# KiCad board TimeMachine.kicad_pcb (continued)
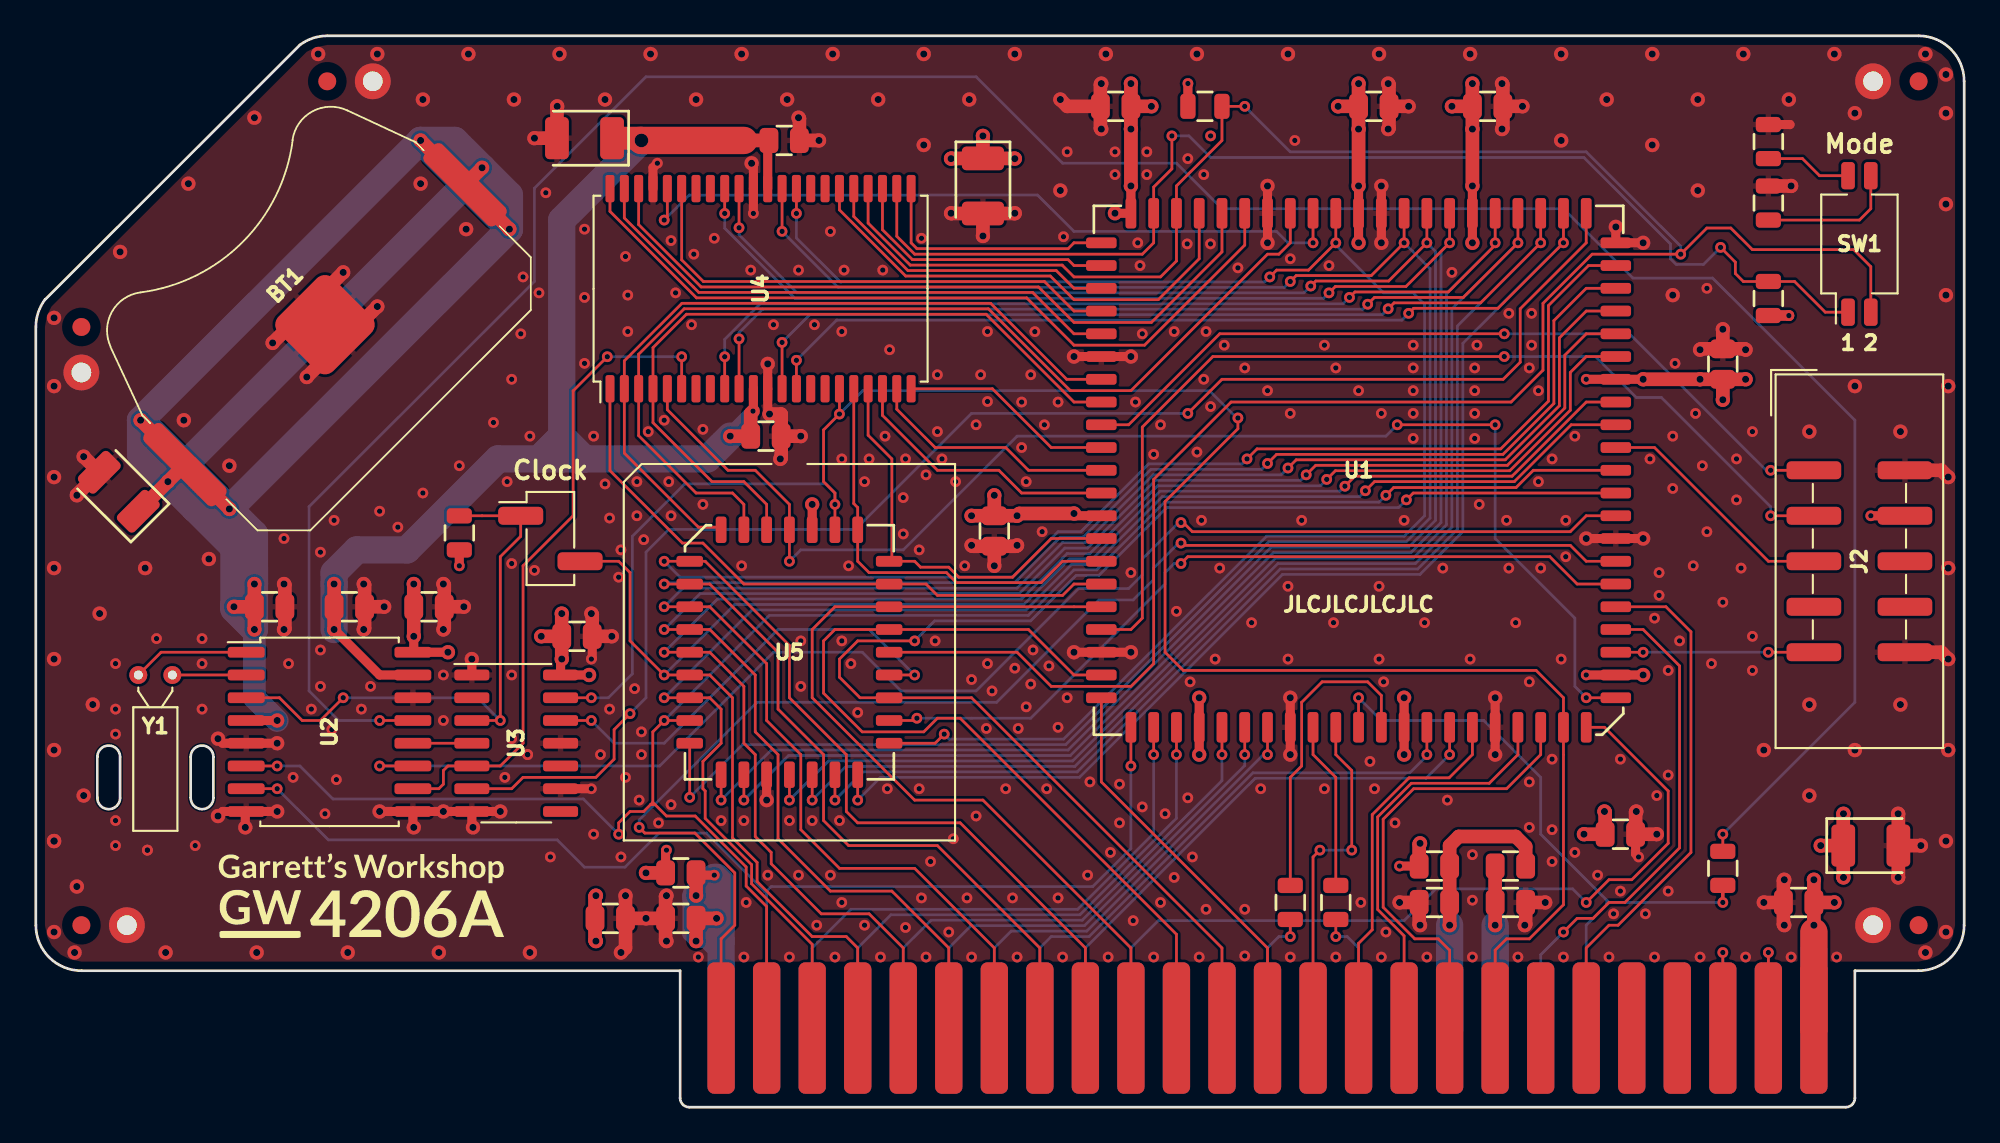
[diagram p0: board, top side]
## Routing (per net, layer and track width the routed paths; a pad name or vN(x,y) marks a point on that pad's centre or on a via; arc(x,y) is an arc through that point) (continued)
+5C: length 77.2
  Top w0.508: U2.15 19.18,24.13 v1(16.64,26.67) ; U4.33 40.83,53.91 C16.1 ; 40.03,37.61 C15.1 ; v2(40,38.86) 40.03,38.88 U4.11
  Top w0.762: v1(16.64,26.67) C14.1 v1(16.64,29.21) ; C16.1 39.5,53.97 ; v2(40,38.86) 39.88,38.73 C15.1 v1(38.73,37.46)
  Top w1.27: v3(33.78,53.97) 33.66,54.1 C17.1
  Top w1.524: 39.5,53.97 v3(33.78,53.97)
  Bottom w0.762: v2(40,38.86) 38.73,37.59 v1(38.73,37.46) 38.73,37.51
  Bottom w1.524: v1(16.64,26.67) v1(16.64,29.21) 16.64,29.84 17.91,31.11 20.7,31.11 25.78,36.19 28.07,36.19 ; 29.34,37.46 29.34,49.53 v3(33.78,53.97) ; 29.34,37.46 29.34,36.19 ; 29.34,37.46 28.07,36.19 ; 29.34,37.46 30.61,36.19 ; 28.07,36.19 29.34,36.19 ; 30.61,36.19 37.47,36.19 v1(38.73,37.46) ; 30.61,36.19 29.34,36.19
+BATT: length 153.5
  Top w0.508: U2.4 v1(13.46,21.59)
  Top w0.762: 12.19,27.94 v1(12.19,29.21) ; 12.19,27.94 v1(11.05,27.94) ; 12.19,27.94 v1(12.19,26.67) ; BT1.1 10.79,33.4 v1(10.79,33.4) ; BT1.1 5.84,38.35 v1(5.84,38.35) ; BT1.1 v1(7.37,34.92) C13.1 ; BT1.1 23.94,51.5 v1(21.46,53.97) ; BT1.1 26.42,49.03 v1(26.42,49.02) ; BT1.1 v1(24.89,52.45)
  Bottom w1.27: v1(13.46,21.59) 12.19,22.86 v1(12.19,26.67) 12.19,26.54
  Bottom w1.524: v1(12.19,29.21) v1(12.19,26.67) 11.05,27.81 v1(11.05,27.94) ; v1(12.19,29.21) 11.05,28.07 v1(11.05,27.94) ; v1(12.19,29.21) 12.19,30.1 v1(7.37,34.92) ; v1(12.19,29.21) 12.19,32 v1(10.79,33.4) ; v1(11.05,27.94) 11.05,33.15 v1(10.79,33.4) ; v1(7.37,34.92) 8.89,33.4 v1(10.79,33.4) ; v1(7.37,34.92) v1(24.89,52.45) ; v1(7.37,34.92) 5.84,36.45 v1(5.84,38.35) ; v1(5.84,38.35) v1(21.46,53.97) ; v1(5.84,38.35) v1(10.79,33.4) ; v1(10.79,33.4) v1(26.42,49.02) ; v1(24.89,52.45) 23.37,53.97 v1(21.46,53.97) ; v1(24.89,52.45) 26.42,50.93 v1(26.42,49.02) ; v1(21.46,53.97) v1(26.42,49.02)
/7M: length 7.1
  Top w0.152: R3.2 v2(72.52,9.52)
  Bottom w0.152: v2(72.52,9.52) 73.15,9.52 73.79,8.89 73.79,4.32
/7Mr: length 9.4
  Top w0.152: U1.83 71.25,19.68 72.52,18.41 R3.1
/A0: length 107
  Top w0.152: U2.6 v2(13.46,19.05) ; U5.12 v2(35.05,21.59) 34.42,20.95 34.42,17.02 ; 34.29,16.89 34.42,17.02 ; 34.29,16.89 34.54,16.89 ; 34.29,16.89 33.91,16.51 33.15,16.51 32.51,15.87 v2(32.51,15.24) ; 34.42,17.02 34.54,16.89 ; 40.77,4.32 40.77,11.2 39.62,12.35 39.62,13.41 36.78,16.26 35.18,16.26 34.54,16.89 ; U1.22 83.54,35.56 82.57,34.59 75.74,34.59 v2(75.31,34.16)
  Bottom w0.152: v2(13.46,19.05) 14.73,19.05 16.57,17.21 30.54,17.21 v2(32.51,15.24) ; v2(35.05,21.59) 40.92,27.46 55.37,27.46 57.91,30 59.18,30 62.96,33.78 74.93,33.78 v2(75.31,34.16)
/A1: length 83.7
  Top w0.152: v2(35.05,22.86) U5.11 37.59,22.86 38.23,22.22 38.23,20.32 37.21,19.3 37.21,17.78 37.34,17.65 37.34,16.13 39.93,13.54 39.93,12.47 43.31,9.09 43.31,4.32 ; v2(74.17,34.42) 74.68,34.92 82.47,34.92 85.65,38.1 U1.24
  Bottom w0.152: v2(35.05,22.86) 39.95,27.76 55.24,27.76 57.78,30.3 59.05,30.3 62.84,34.09 73.84,34.09 v2(74.17,34.42)
/A2: length 95.8
  Top w0.152: JP2.2 32.51,30.48 33.15,29.84 33.15,26.03 v2(35.05,24.13) U5.10 37.59,24.13 38.86,22.86 38.86,15.04 40.23,13.66 40.23,12.6 43.31,9.52 45.21,9.52 45.85,8.89 45.85,4.32 ; v2(73.03,34.67) 73.58,35.23 82.35,35.23 86.49,39.37 U1.25
  Bottom w0.152: v2(73.03,34.67) 72.75,34.39 62.71,34.39 58.92,30.61 57.65,30.61 55.11,28.07 38.99,28.07 v2(35.05,24.13)
/A3: length 90.8
  Top w0.152: v2(35.05,25.4) U5.9 37.59,25.4 39.5,23.49 39.5,20.32 40.13,19.68 40.13,15.11 41.02,14.22 41.02,13.59 43.81,10.79 46.48,10.79 48.39,8.89 48.39,4.32 ; v2(72.01,35.05) 72.49,35.53 82.22,35.53 85.6,38.91 85.6,41.02 86.49,41.91 U1.27
  Bottom w0.152: v2(35.05,25.4) 38.02,28.37 54.99,28.37 57.53,30.91 58.8,30.91 62.58,34.7 71.65,34.7 v2(72.01,35.05)
/A4: length 94.1
  Top w0.152: v2(35.05,26.67) U5.8 37.59,26.67 40.13,24.13 40.13,20.95 41.4,19.68 41.4,14.99 44.32,12.06 47.75,12.06 50.93,8.89 50.93,4.32 ; v2(70.87,35.31) 71.4,35.84 82.09,35.84 85.29,39.04 85.29,41.99 86.49,43.18 U1.28
  Bottom w0.152: v2(70.87,35.31) 70.56,35 62.46,35 58.67,31.22 57.4,31.22 54.86,28.68 37.06,28.68 v2(35.05,26.67)
/A5: length 97.3
  Top w0.152: v2(35.05,27.94) U5.7 37.59,27.94 40.77,24.76 40.77,21.59 42.67,19.68 42.67,15.49 44.83,13.33 49.02,13.33 53.47,8.89 53.47,4.32 ; v2(69.85,35.69) 70.31,36.14 81.97,36.14 84.99,39.16 84.99,42.95 86.49,44.45 U1.29
  Bottom w0.152: v2(69.85,35.69) 69.47,35.31 62.33,35.31 58.55,31.52 57.28,31.52 54.74,28.98 36.09,28.98 v2(35.05,27.94)
/A6: length 100.7
  Top w0.152: v2(35.05,29.21) U5.6 37.59,29.21 41.4,25.4 41.4,22.22 43.94,19.68 43.94,16 45.34,14.6 50.29,14.6 56.01,8.89 56.01,4.32 ; v2(68.71,35.94) 69.22,36.45 81.84,36.45 84.68,39.29 84.68,43.92 86.49,45.72 U1.30
  Bottom w0.152: 68.66,35.89 v2(68.71,35.94) 68.38,35.61 62.2,35.61 58.42,31.83 57.15,31.83 54.61,29.29 35.13,29.29 v2(35.05,29.21)
/A7: length 104.4
  Top w0.152: v2(35.05,30.48) U5.5 37.34,30.48 42.04,25.78 42.04,22.86 45.21,19.68 45.21,16.51 45.85,15.87 51.56,15.87 58.55,8.89 58.55,4.32 ; U1.31 86.61,46.99 84.38,44.75 84.38,39.42 81.72,36.75 68.12,36.75 v2(67.56,36.19)
  Bottom w0.152: v2(67.56,36.19) 67.28,35.92 62.08,35.92 58.29,32.13 57.02,32.13 54.48,29.59 35.94,29.59 v2(35.05,30.48)
/A8: length 48.6
  Top w0.152: U1.70 U5.27 44.58,27.94 43.31,26.67 43.31,22.86 49.02,17.14 52.83,17.14 61.09,8.89 61.09,4.32
/A9: length 51
  Top w0.152: U1.73 57.91,24.13 55.37,26.67 U5.26 44.58,26.67 43.94,26.03 43.94,23.11 46.1,20.95 49.53,20.95 50.29,21.72 51.56,21.72 63.63,9.65 63.63,4.32
/A10: length 80.3
  Top w0.152: v2(49.02,26.03) 45.85,26.03 44.83,25.02 44.83,24 45.97,22.86 U5.23 52.2,22.86 66.17,8.89 66.17,4.32 ; v2(76.45,33.91) 76.83,34.29 U1.21
  Bottom w0.152: v2(49.02,26.03) 50.14,27.15 55.49,27.15 58.03,29.69 59.3,29.69 63.09,33.48 76.02,33.48 v2(76.45,33.91)
/A11: length 22.4
  Top w0.152: U1.74 59.44,18.16 68.71,8.89 68.71,4.32
/A12: length 19.2
  Top w0.152: v2(73.41,14.35) 73.41,18.8 72.52,19.68 U1.84 ; v2(71.63,14.35) 71.25,13.97 71.25,4.32
  Bottom w0.152: v2(73.41,14.35) v2(71.63,14.35)
/A13: length 20.8
  Top w0.152: 73.79,4.32 73.79,9.14 74.55,9.91 74.55,16.33 76.61,18.39 78.84,18.39 80.14,19.68 U1.6
/A14: length 23.3
  Top w0.152: 76.33,4.32 76.33,9.56 74.85,11.04 74.85,16.21 76.73,18.08 81.08,18.08 82.68,19.68 U1.8
/A15: length 25.9
  Top w0.152: 78.87,4.32 78.87,8.76 78.23,9.4 76.92,9.4 75.16,11.16 75.16,16.08 76.86,17.78 82.04,17.78 83.95,19.68 U1.9
/C~{RES}: length 151.1
  Top w0.152: U2.13 v2(19.18,21.59) ; 94.11,14.28 v2(94.11,15.24)
  Bottom w0.152: v2(94.11,15.24) 101.47,22.61 101.47,38.35 93.54,46.29 89.09,46.29 85.22,50.16 66.17,50.16 63.63,52.7 57.28,52.7 52.45,57.53 34.04,57.53 27.81,51.31 27.81,46.1 15.24,33.53 15.24,23.24 16.89,21.59 v2(19.18,21.59)
/D0: length 69
  Top w0.152: U2.7 v2(13.46,17.78) ; U1.75 v2(61.09,19.05)
  Bottom w0.152: 40.77,12.06 40.77,11.94 ; 40.77,12.06 41.02,12.32 58.96,12.32 61.09,14.45 v2(61.09,19.05) ; 40.77,12.06 40.64,12.06 ; 40.77,11.94 40.64,12.06 ; 40.77,11.94 40.77,4.32 ; 40.64,12.06 37.4,15.3 34.77,15.3 32.86,13.4 30.61,13.4 29.08,14.92 16.32,14.92 v2(13.46,17.78)
/D1: length 32.2
  Top w0.152: U1.76 v2(62.36,19.68)
  Bottom w0.152: 43.31,4.32 43.31,8.89 45.47,11.05 58.12,11.05 62.36,15.29 v2(62.36,19.68)
/D2: length 30.4
  Top w0.152: U1.77 v2(63.63,19.68)
  Bottom w0.152: v2(63.63,19.68) 63.63,16.13 58.25,10.74 47.7,10.74 45.85,8.89 45.85,4.32
/D3: length 29.2
  Top w0.152: U1.79 v2(66.17,19.68)
  Bottom w0.152: v2(66.17,19.68) 66.17,18.23 58.37,10.44 49.94,10.44 48.39,8.89 48.39,4.32
/D4: length 27.4
  Top w0.152: U1.80 v2(67.44,19.68)
  Bottom w0.152: v2(67.44,19.68) 67.44,19.07 58.5,10.13 52.17,10.13 50.93,8.89 50.93,4.32
/D5: length 25.8
  Top w0.152: U1.81 v2(68.71,19.68)
  Bottom w0.152: 53.47,4.32 53.47,8.89 54.41,9.83 58.62,9.83 68.48,19.68 v2(68.71,19.68)
/D6: length 32.2
  Top w0.152: v2(77.6,19.68) U1.4
  Bottom w0.152: v2(77.6,19.68) 77.6,19.62 76.64,18.67 67.89,18.67 58.75,9.52 56.64,9.52 56.01,8.89 56.01,4.32
/D7: length 30.9
  Top w0.152: U1.5 v2(78.87,19.68)
  Bottom w0.152: 58.55,4.32 58.55,8.89 68.02,18.36 77.55,18.36 v2(78.87,19.68)
/DMAin: length 8.6
  Top w0.152: v2(96.65,8.64) 96.65,4.32
  Bottom w0.152: 96.65,4.32 v2(96.65,8.64)
/DS~{OE}: length 3.3
  Top w0.152: U3.4 U2.12
/DS~{WE}: length 32.7
  Top w0.152: 23.63,33.02 JP2.1 27.05,31.87 25.91,30.73 v2(25.91,21.59) U3.3 ; U2.3 13.59,22.86 14.86,21.59 15.88,21.59 v2(17.14,22.86)
  Bottom w0.152: v2(17.14,22.86) 24.64,22.86 v2(25.91,21.59)
/INTin: length 8.6
  Top w0.152: v2(94.11,8.64) 94.11,4.32
  Bottom w0.152: 94.11,4.32 v2(94.11,8.64)
/PHI1: length 7.1
  Top w0.152: R1.2 v2(69.98,9.52)
  Bottom w0.152: v2(69.98,9.52) 69.34,9.52 68.71,8.89 68.71,4.32
/PHI1r: length 17.5
  Top w0.152: U1.2 75.06,22.99 74.29,23.75 71.75,23.75 70.61,22.61 70.61,19.05 69.98,18.41 R1.1
/RA0: length 15.3
  Top w0.152: U1.55 57.91,46.99 57.58,47.32 48.9,47.32 47.23,48.99 U4.25
/RA1: length 67.5
  Top w0.152: v2(93.98,48.01) 94.81,47.18 94.81,46.55 95.25,46.1 R7.1 98.11,46.1 99.82,44.39 101.09,44.39 ; v2(63.37,54.23) 63.37,52.39 62.36,51.37 U1.52 62.36,48.26 61.72,47.62 49.03,47.62 48.03,48.62 U4.24
  Bottom w0.152: v2(63.37,54.23) 64.33,54.23 65.53,53.02 86.36,53.02 91.19,48.2 91.19,47.37 91.5,47.05 93.03,47.05 v2(93.98,48.01)
/RA2: length 13.9
  Top w0.152: U1.54 57.91,48.26 57.58,47.93 49.15,47.93 48.83,48.26 U4.23
/RA3: length 12
  Top w0.152: U1.63 56.64,36.83 53.36,40.11 U4.22
/RA4: length 14
  Top w0.152: U1.64 55.37,35.56 54.1,36.83 50.16,36.83 48.03,38.97 U4.21
/RA5: length 43.9
  Top w0.152: U1.48 67.44,48.13 61.85,42.54 57.91,42.54 55.27,45.19 36.86,45.19 32.03,50.01 U4.44
/RA6: length 30.9
  Top w0.152: U1.58 57.91,43.18 55.6,45.49 36.98,45.49 32.83,49.65 U4.43
/RA7: length 40.6
  Top w0.152: U4.42 33.63,49.28 37.11,45.8 55.93,45.8 57.91,43.81 62.23,43.81 66.17,47.75 U1.49
/RA8: length 28.6
  Top w0.152: U1.57 57.91,44.45 56.26,46.1 37.23,46.1 36.03,47.31 U4.39
/RA9: length 26.8
  Top w0.152: U4.28 44.83,50.1 48.52,46.41 56.59,46.41 57.91,45.08 62.61,45.08 64.9,47.37 U1.50
/RA10: length 17
  Top w0.152: U4.27 45.63,49.73 48.65,46.71 56.92,46.71 57.91,45.72 U1.56
/RA11: length 137.5
  Top w0.152: v2(67.44,55.88) R2.1 66.17,53.97 63.63,51.43 U1.51 63.63,47.24 62.74,46.35 57.91,46.35 57.25,47.02 48.77,47.02 46.43,49.36 U4.26 ; SW1.2 102.36,46.93 101.41,47.88 95.76,47.88 94.55,49.09 93.22,49.09 v2(91.76,47.62) 86.82,47.62 84.07,44.88 84.07,41.15 82.3,39.37 66.67,39.37 62.36,35.05 62.36,24.76 61.09,23.49 56.64,23.49 54.74,25.4 U5.25
  Bottom w0.152: v2(91.76,47.62) 91.76,48.07 86.49,53.34 69.98,53.34 v2(67.44,55.88)
  vias: v2(65.53,54.23)
/RA12: length 42
  Top w0.152: U1.60 57.5,40.64 53.26,44.88 36.04,44.88 32.83,41.67 U4.2 32.83,36.51 36.96,32.38 38.08,32.38 U5.4
/RA13: length 35.1
  Top w0.152: U1.69 57.91,29.21 57.28,28.57 50.29,28.57 49.66,29.21 U5.28 39.5,29.21 37.21,31.5 36.07,31.5 32.03,35.54 U4.1
/RA14: length 23.3
  Top w0.152: U4.19 46.43,37.52 47.75,36.19 47.75,30.63 U5.29 49.02,30.48 49.35,30.15 50.93,30.15 51.49,29.59 54.48,29.59 56.64,31.75 U1.67
/RA15: length 57.8
  Top w0.152: U1.46 69.98,48.26 69.34,47.62 68.71,47.62 61.09,40 57.71,40 53.14,44.58 36.17,44.58 33.63,42.04 U4.3 33.63,37.49 36.83,34.29 38.86,34.29 39.5,33.65 U5.3
/RA16: length 41.7
  Top w0.152: U1.61 57.91,39.37 53.01,44.27 36.29,44.27 34.43,42.41 U4.4 34.43,38.22 37.72,34.92 39.5,34.92 40.77,33.65 U5.2
/RA17: length 24.3
  Top w0.152: U4.18 45.63,33.7 45.85,33.48 U5.30 45.85,30.48 46.48,29.84 50.8,29.84 51.36,29.29 56.08,29.29 57.28,30.48 U1.68
/RA18: length 74.9
  Top w0.152: v2(42.04,30.48) U5.1 42.04,33.65 40.13,35.56 38.61,35.56 35.23,38.94 U4.5 ; v2(81.41,38.1) v2(75.95,38.1) ; U1.12 v2(86.49,22.86)
  Bottom w0.152: v2(75.95,38.1) 75.31,37.46 54.74,37.46 48.39,31.11 42.67,31.11 v2(42.04,30.48) ; v2(81.41,38.1) 81.41,31.75 85.85,27.3 85.85,23.49 v2(86.49,22.86)
/RA19: length 15.5
  Top w0.152: U4.20 47.23,38.62 50.29,35.56 53.72,35.56 54.99,34.29 U1.65
/RAMCS: length 41.4
  Top w0.152: v2(35.05,49.53) 35.23,49.7 U4.40 ; U1.45 v2(71.25,48.26)
  Bottom w0.152: v2(71.25,48.26) 69.85,48.26 69.22,48.89 57.91,48.89 55.88,50.93 36.45,50.93 v2(35.05,49.53)
/RAMROMCSgb: length 83.9
  Top w0.152: v2(33.15,21.97) 32.26,21.08 32.26,19.43 31.24,18.41 27.18,18.41 26.54,17.78 U3.6 ; U1.33 86.49,48.26 82.8,44.58 82.8,41.59 81.85,40.64 66.17,40.64 v2(64.26,38.73)
  Bottom w0.152: v2(64.26,38.73) 52.2,38.73 45.72,32.26 35.31,32.26 34.04,30.99 34.04,22.86 v2(33.15,21.97)
/RAMROM~{CS}: length 79.5
  Top w0.152: U2.11 v2(19.18,19.05) ; U1.20 86.49,33.02 85.6,32.13 64.52,32.13 64.01,32.64 v2(63.88,32.64)
  Bottom w0.152: 63.75,32.64 61.72,30.61 61.72,29.72 60.96,28.96 58.17,28.96 52.45,23.24 48.26,23.24 46.1,25.4 41.15,25.4 34.8,19.05 v2(19.18,19.05) ; 63.75,32.64 v2(63.88,32.64) 63.75,32.64
/RAMROM~{CS}g: length 37.1
  Top w0.152: U2.10 22.48,17.78 22.73,18.03 22.73,18.8 22.99,19.05 U3.5 25.91,19.05 27.18,20.32 27.18,30.23 29.97,33.02 29.97,39.99 v2(31.88,41.9) ; U4.6 v2(36.03,41.9)
  Bottom w0.152: v2(36.03,41.9) v2(31.88,41.9)
/RD0: length 107.9
  Top w0.152: U4.32 v2(41.63,48.9) ; U5.13 v2(36.47,17.3) ; v2(69.98,46.1) 70.31,46.43 74.5,46.43 v2(76.33,48.26) U1.41
  Bottom w0.152: v2(41.63,48.9) 44.76,45.77 69.65,45.77 v2(69.98,46.1) 69.93,46.05 ; v2(76.33,48.26) 77.77,46.81 77.77,32.89 76.45,31.57 68.78,31.57 57.45,20.24 39.42,20.24 v2(36.47,17.3)
/RD1: length 108.5
  Top w0.152: U4.35 v2(39.23,49.1) ; U5.14 v2(38.23,17.14) ; U1.40 v2(77.6,48.26) 75.46,46.13 71.4,46.13 v2(71.12,45.85)
  Bottom w0.152: v2(39.23,49.1) 39.23,48.71 42.47,45.47 70.74,45.47 v2(71.12,45.85) ; v2(38.23,17.14) 41.02,19.94 57.58,19.94 68.91,31.27 76.58,31.27 78.08,32.77 78.08,47.78 v2(77.6,48.26)
/RD2: length 109.7
  Top w0.152: U4.36 v2(38.43,49.9) ; U5.15 v2(39.5,17.14) ; U1.39 v2(78.87,48.26) 76.43,45.82 72.49,45.82 v2(72.14,45.47)
  Bottom w0.152: v2(39.5,17.14) 41.99,19.63 57.71,19.63 69.04,30.96 76.71,30.96 78.38,32.64 78.38,47.78 v2(78.87,48.26) ; v2(38.43,49.9) 38.43,49.08 42.34,45.16 71.83,45.16 v2(72.14,45.47)
/RD3: length 111
  Top w0.152: U4.9 v2(38.43,41.9) ; U5.17 v2(42.04,17.14) ; U1.37 v2(81.41,48.26) 81.41,48.13 78.79,45.52 73.58,45.52 v2(73.28,45.21)
  Bottom w0.152: v2(73.28,45.21) 72.92,44.86 40.41,44.86 38.43,42.87 v2(38.43,41.9) ; v2(81.41,48.26) 81.41,48.13 78.69,45.42 78.69,32.51 76.83,30.66 69.16,30.66 57.83,19.33 44.22,19.33 v2(42.04,17.14)
/RD4: length 111.1
  Top w0.152: U4.10 v2(39.23,42.9) ; U5.18 v2(43.31,17.14) ; U1.36 v2(82.68,48.26) 79.63,45.21 74.68,45.21 v2(74.29,44.83)
  Bottom w0.152: v2(39.23,42.9) 39.23,43.24 40.54,44.55 74.02,44.55 v2(74.29,44.83) ; v2(82.68,48.26) 78.99,44.58 78.99,32.39 76.96,30.35 69.29,30.35 57.96,19.02 45.19,19.02 v2(43.31,17.14)
/RD5: length 109.2
  Top w0.152: U4.13 v2(41.63,42.7) ; U5.19 v2(44.58,17.14) ; v2(75.44,44.58) 75.77,44.91 80.59,44.91 v2(83.95,48.26) U1.35
  Bottom w0.152: v2(44.58,17.14) 46.15,18.72 58.09,18.72 69.42,30.05 77.08,30.05 79.3,32.26 79.3,43.61 v2(83.95,48.26) ; v2(41.63,42.7) 43.17,44.25 75.11,44.25 v2(75.44,44.58)
/RD6: length 108.6
  Top w0.152: U4.14 v2(42.43,41.7) ; U5.20 v2(45.85,17.14) ; v2(76.58,44.32) 76.86,44.6 81.56,44.6 v2(85.22,48.26) U1.34
  Bottom w0.152: v2(42.43,41.7) 44.67,43.94 76.2,43.94 v2(76.58,44.32) ; v2(45.85,17.14) 47.12,18.41 58.22,18.41 69.54,29.74 77.21,29.74 79.6,32.14 79.6,42.65 v2(85.22,48.26)
/RD7: length 90
  Top w0.152: U4.31 v2(42.43,49.9) ; U5.21 50.16,20.32 v2(50.67,20.83) ; v2(68.83,46.35) 69.22,46.74 70.99,46.74 v2(72.52,48.26) U1.44
  Bottom w0.152: v2(42.43,49.9) 42.43,48.53 44.88,46.08 68.55,46.08 v2(68.83,46.35) ; v2(50.67,20.83) 50.95,20.55 57.33,20.55 68.66,31.88 76.33,31.88 77.47,33.02 77.47,44.83 76.83,45.47 75.18,45.47 72.52,48.13 v2(72.52,48.26)
/ROM~{CS}: length 45.3
  Top w0.152: U5.22 49.02,21.59 v2(49.15,21.72) ; U1.17 85.98,29.21 84.45,30.73 64.26,30.73 v2(63.88,30.35)
  Bottom w0.152: v2(63.88,30.35) 63.5,30.35 62.99,29.84 62.99,29.21 55.5,21.72 v2(49.15,21.72)
/R~{W}: length 116.6
  Top w0.152: 81.41,4.32 81.41,8.76 82.04,9.4 83.31,9.4 85.22,11.3 U1.10 85.22,22.86 83.69,24.38 64.01,24.38 62.99,25.4 62.99,33.81 67.06,37.88 v2(67.06,38.48) ; U4.17 v2(44.83,38.7) 43.94,37.81 43.94,34.92 44.58,34.29 v2(44.58,33.65) U5.31 ; v2(30.99,22.86) U3.13
  Bottom w0.152: v2(30.99,22.86) 31.94,22.86 33.27,24.19 33.27,31.88 36.19,34.8 44.07,34.8 44.58,34.29 v2(44.58,33.65) ; v2(44.83,38.7) 46.13,40 65.47,40 66.99,38.48 v2(67.06,38.48) 66.93,38.61
/TCK: length 45.2
  Top w0.152: 99.33,35.56 v2(96.77,35.56) ; U1.62 60.96,38.1 66.04,43.18 v2(81.91,43.18)
  Bottom w0.152: v2(81.91,43.18) 88.9,43.18 96.52,35.56 v2(96.77,35.56)
/TDI: length 11.2
  Top w0.152: U1.14 v2(89.66,25.4) ; v2(96.65,25.4) 99.33,25.4
  Bottom w0.152: v2(96.65,25.4) v2(89.66,25.4)
/TDO: length 56.4
  Top w0.152: 99.33,33.02 v2(96.77,33.02) ; v2(81.91,41.91) 65.66,41.91 61.72,37.97 61.72,27.3 61.09,26.67 U1.71
  Bottom w0.152: v2(96.77,33.02) 96.77,33.53 90.68,39.62 89.28,39.62 87,41.91 v2(81.91,41.91)
/TMS: length 13.7
  Top w0.152: U1.23 90.3,36.83 96.65,30.48 99.21,30.48
/~{DEVSEL}: length 46.6
  Top w0.152: U1.11 87.5,21.21 91.06,17.65 91.06,14.73 89.03,12.7 87.76,12.7 v2(86.49,11.43)
  Bottom w0.152: 61.09,4.32 61.09,8.89 62.61,10.41 76.33,10.41 78.1,12.19 85.72,12.19 v2(86.49,11.43)
/~{INH}: length 29
  Top w0.152: v2(85.22,9.78) 85.98,10.54 86.87,10.54 87.76,11.43 88.65,11.43 91.69,14.48 91.69,24.64 89.66,26.67 U1.15
  Bottom w0.152: v2(85.22,9.78) 83.95,8.51 83.95,4.32
/~{IOSEL}: length 77.6
  Top w0.152: v2(63.88,31.5) 64.01,31.37 85.6,31.37 86.49,30.48 U1.18 ; 38.23,4.32 38.23,9.4 38.99,10.16 38.99,13.08 36.77,15.3 33.97,15.3 v2(33.66,15.62)
  Bottom w0.152: v2(63.88,31.5) 63.75,31.5 62.36,30.1 62.36,29.46 61.21,28.32 59.31,28.32 53.59,22.61 40.23,22.61 33.66,16.03 v2(33.66,15.62)
/~{IOSTRB}: length 29.7
  Top w0.152: U1.16 90.93,27.94 92.33,26.54 92.33,14.22 88.26,10.16 87.76,10.16 86.49,8.89 86.49,4.32
/~{OE}: length 25.4
  Top w0.152: U5.24 v2(49.02,24.13) ; U3.12 v2(30.99,21.59)
  Bottom w0.152: v2(30.99,21.59) 32.26,20.32 35.05,20.32 41.4,26.67 46.48,26.67 v2(49.02,24.13)
/~{RES}: length 37.4
  Top w0.152: U1.1 v2(73.79,22.86)
  Top w0.2: R6.2 v2(94.11,11.43)
  Bottom w0.152: 87.63,11.3 87.63,11.56 ; 87.63,11.3 87.76,11.43 ; 87.63,11.3 86.49,10.16 86.49,4.32 ; 87.63,11.56 87.76,11.43 ; 87.63,11.56 83.95,15.24 83.95,18.41 80.77,21.59 75.06,21.59 v2(73.79,22.86) ; 87.76,11.43 v2(94.11,11.43)
Net-(R8-Pad2): length 4.8
  Top w0.152: R8.2 98.55,52.96 99.5,52.01 101.09,52.01
Net-(SW1-Pad3): length 7.8
  Top w0.152: R5.2 101.73,49.53 102.36,50.16 SW1.3
Net-(U2-Pad1): length 6.5
  Top w0.152: U2.1 6.98,25.4 Y1.1
Net-(U2-Pad2): length 4.1
  Top w0.152: U2.2 Y1.2

## Copper pours and planes (outline as drawn; the poured copper is in the pictures)
+5V on In2.Cu: 105.03,59.31 105.66,59.18 106.3,58.8 106.68,58.42 106.93,57.91 107.06,57.28 107.06,10.16 106.93,9.52 106.68,9.02 106.17,8.51 105.66,8.25 105.03,8.13 101.09,8.13 100.97,8 100.97,0.76 100.71,0.51 36.7,0.51 36.45,0.76 36.45,8 36.32,8.13 2.54,8.13 1.91,8.25 1.4,8.51 0.89,9.02 0.63,9.52 0.51,10.16 0.51,43.56 0.62,44.2 0.87,44.7 15.11,58.93 15.62,59.18 16.26,59.31
GND on Top: 105.03,59.31 105.66,59.18 106.3,58.8 106.68,58.42 106.93,57.91 107.06,57.28 107.06,10.16 106.93,9.52 106.68,9.02 106.17,8.51 105.66,8.25 105.03,8.13 2.54,8.13 1.91,8.25 1.4,8.51 0.89,9.02 0.63,9.52 0.51,10.16 0.51,43.56 0.62,44.2 0.87,44.7 15.11,58.93 15.62,59.18 16.26,59.31
GND on Bottom: 105.03,59.31 105.66,59.18 106.3,58.8 106.68,58.42 106.93,57.91 107.06,57.28 107.06,10.16 106.93,9.52 106.68,9.02 106.17,8.51 105.66,8.25 105.03,8.13 2.54,8.13 1.91,8.25 1.4,8.51 0.89,9.02 0.63,9.52 0.51,10.16 0.51,43.56 0.62,44.2 0.87,44.7 15.11,58.93 15.62,59.18 16.26,59.31
GND on In1.Cu: 105.03,59.31 105.66,59.18 106.3,58.8 106.68,58.42 106.93,57.91 107.06,57.28 107.06,10.16 106.93,9.52 106.68,9.02 106.17,8.51 105.66,8.25 105.03,8.13 101.09,8.13 100.97,8 100.97,0.76 100.71,0.51 36.7,0.51 36.45,0.76 36.45,8 36.32,8.13 2.54,8.13 1.91,8.25 1.4,8.51 0.89,9.02 0.63,9.52 0.51,10.16 0.51,43.56 0.62,44.2 0.87,44.7 15.11,58.93 15.62,59.18 16.26,59.31

## Text on the board
B.Silkscreen: ZK, GF
F.Silkscreen: JLCJLCJLCJLC | 1 | 2 | Mode
